# Altium PCB SHM.PcbDoc (part 1 of 3) (continued)
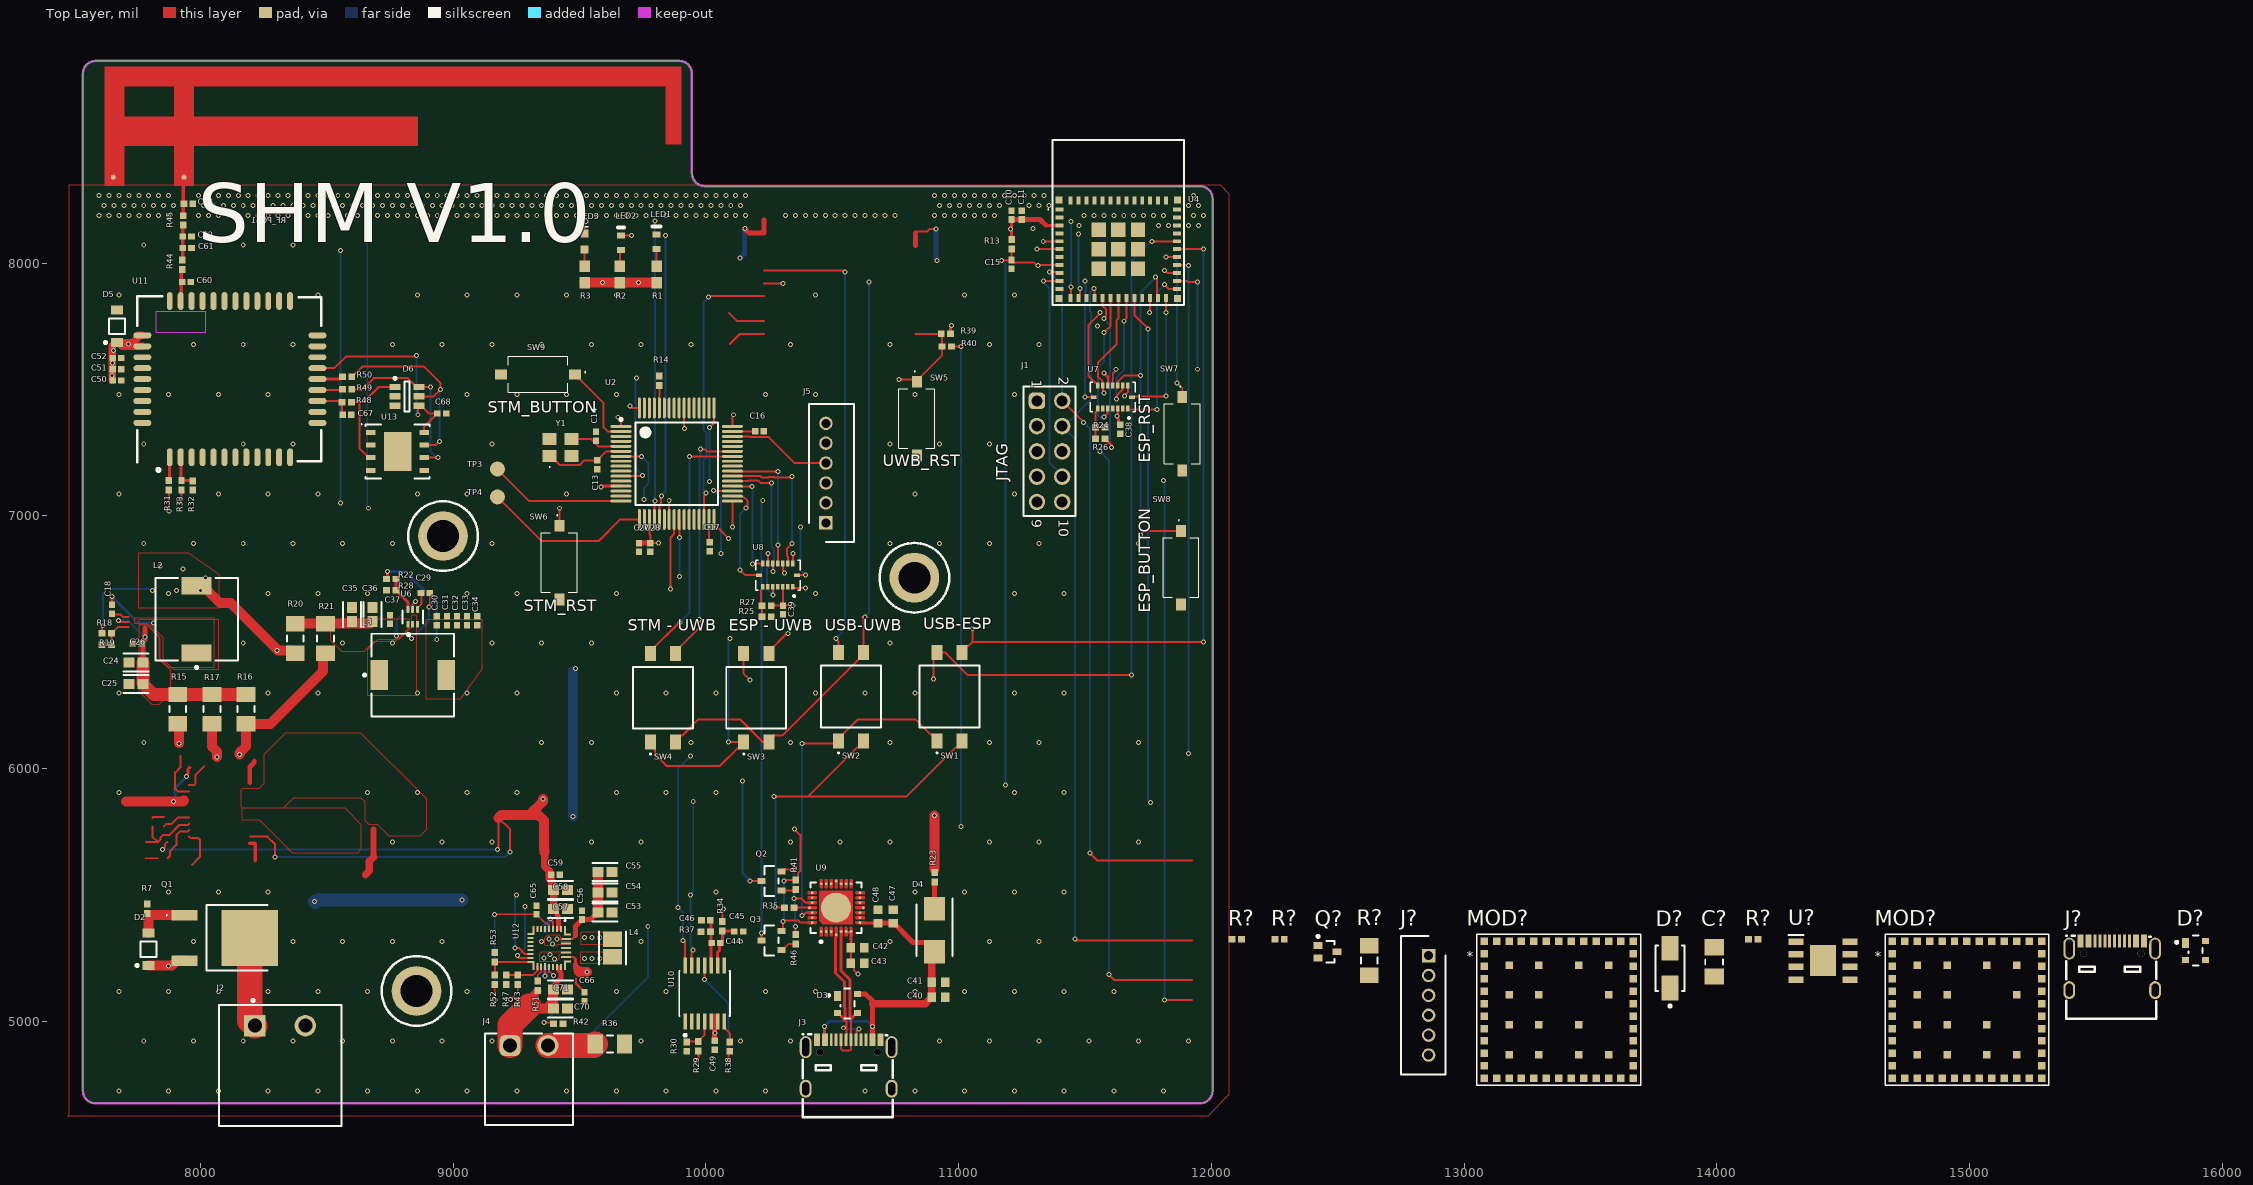
[diagram p0: Top Layer view]
## Design rules (kind name [scope] priority, off if disabled: settings) (continued)

## Classes and differential pairs
differential pair class USB: D
net class GPRS_RF: NetC60_2 NetC61_2 NetC63_2
differential pair D: +D_P -D_N

## Components (designator, comment, footprint, x,y, rotation, side; value= is the part's Value field where it differs from the comment)
C10 "100nF 0402 X7R 50V" CAPC1005X55X25NL5T10 11210,8190 r270 top
C11 "10uF 0402 X5R 10V" CAPC1005X55X25NL5T10 11250,8190 r90 top
C13 "10pF 0402 X5R 10V" CAPC1005X55X25NL5T10 9570,7202.32 r270 top
C14 "10pF 0402 X5R 10V" CAPC1005X55X25NL5T10 9565,7315 r90 top
C15 "1uF 0402 X5R 25V" CAPC1005X55X25NL5T10 11210,7995 r90 top
C16 "100nF 0402 X7R 50V" CAPC1005X55X25NL5T10 10212.32,7335 r0 top
C17 "100nF 0402 X7R 50V" CAPC1005X55X25NL5T10 10015,6877.68 r270 top
C18 "10nF 0402 X7R 50V" CAPC1005X55X25NL5T10 7650,6630 r270 top
C24 "10uF 0603 X5R 25V" FP-GRM188-0_2-IPC_B 7745,6420 r0 top
C25 "10uF 0603 X5R 25V" FP-GRM188-0_2-IPC_B 7745,6335 r0 top
C26 "100nF 0402 X7R 50V" CAPC1005X55X25NL5T10 7750,6495 r0 top
C27 "1uF 0402 X5R 25V" CAPC1005X55X25NL5T10 9735,6875 r90 top
C28 "100nF 0402 X7R 50V" CAPC1005X55X25NL5T10 9780,6875 r270 top
C29 "100nF 0402 X7R 50V" CAPC1005X55X25NL5T10 8890,6695 r180 top
C30 "10uF 0402 X5R 10V" CAPC1005X55X25NL5T10 8935,6585 r270 top
C31 "10uF 0402 X5R 10V" CAPC1005X55X25NL5T10 8975,6585 r270 top
C32 "10uF 0402 X5R 10V" CAPC1005X55X25NL5T10 9015,6585 r270 top
C33 "10uF 0402 X5R 10V" CAPC1005X55X25NL5T10 9055,6585 r270 top
C34 "100nF 0402 X7R 50V" CAPC1005X55X25NL5T10 9095,6585 r270 top
C35 "10uF 0603 X5R 25V" FP-GRM188-0_2-IPC_B 8600,6610 r270 top
C36 "10uF 0603 X5R 25V" FP-GRM188-0_2-IPC_B 8680,6610 r270 top
C37 "100nF 0402 X7R 50V" CAPC1005X55X25NL5T10 8750,6590 r270 top
C38 "100nF 0402 X7R 50V" CAPC1005X55X25NL5T10 11640,7342.32 r270 top
C39 "100nF 0402 X7R 50V" CAPC1005X55X25NL5T10 10305,6627.32 r270 top
C40 "10uF 0603 X5R 25V" CAPC1608X60X35NL10T15 10920,5095 r180 top
C41 "100nF 0603 X7R 100V" CAPC1608X60X35NL10T15 10920,5155 r180 top
C42 "100nF 0603 X7R 100V" CAPC1608X60X35NL10T15 10600,5290 r180 top
C43 "10uF 0603 X5R 25V" CAPC1608X60X35NL10T15 10600,5230 r180 top
C44 "100nF 0402 X7R 50V" CAPC1005X55X25NL5T10 10040,5310 r0 top
C45 "100nF 0402 X7R 50V" CAPC1005X55X25NL5T10 10130,5355 r180 top
C46 "100nF 0402 X7R 50V" CAPC1005X55X25NL5T10 10000,5400 r0 top
C47 "100nF 0603 X7R 100V" CAPC1608X60X35NL10T15 10741.11,5415.09 r270 top
C48 "10uF 0603 X5R 25V" CAPC1608X60X35NL10T15 10681.11,5415.09 r270 top
C49 "1uF 0402 X5R 25V" CAPC1005X55X25NL5T10 10035,4905 r90 top
C50 "10uF 0402 X5R 10V" CAPC1005X55X25NL5T10 7670,7535 r180 top
C51 "100nF 0402 X7R 50V" CAPC1005X55X25NL5T10 7670,7580 r180 top
C52 "18pF 0402 X5R 50V" CAPC1005X55X25NL5T10 7670,7625 r180 top
C53 "10uF 0603 X5R 25V" FP-GRM188-0_2-IPC_B 9600,5430 r180 top
C54 "10uF 0603 X5R 25V" FP-GRM188-0_2-IPC_B 9600,5510 r180 top
C55 "10uF 0603 X5R 25V" FP-GRM188-0_2-IPC_B 9600,5590 r180 top
C56 "100nF 0402 X7R 50V" CAPC1005X55X25NL5T10 9510,5420 r270 top
C57 "10uF 0603 X5R 25V" FP-GRM188-0_2-IPC_B 9425,5445 r180 top
C58 "10uF 0603 X5R 25V" FP-GRM188-0_2-IPC_B 9425,5520 r180 top
C59 "100nF 0402 X7R 50V" CAPC1005X55X25NL5T10 9405,5580 r180 top
C60 "100nF 0402 X7R 50V" CAPC1005X55X25NL5T10 7945,7925 r180 top
C61 "100nF 0402 X7R 50V" CAPC1005X55X25NL5T10 7947.32,8060 r180 top
C62 "100nF 0402 X7R 50V" CAPC1005X55X25NL5T10 7947.32,8105 r180 top
C63 "100nF 0402 X7R 50V" CAPC1005X55X25NL5T10 7952.32,8235 r180 top
C64 "47nF 0402 X7R 50V" CAPC1005X55X25NL5T10 9380,5360 r180 bottom
C65 "10uF 0402 X5R 10V" CAPC1005X55X25NL5T10 9330,5440 r270 top
C66 "1nF 0402 X7R 50V" CAPC1005X55X25NL5T10 9520,5097.32 r90 top
C67 "18pF 0402 X5R 50V" CAPC1005X55X25NL5T10 8580,7400 r180 top
C68 "100nF 0402 X7R 50V" CAPC1005X55X25NL5T10 8955,7405 r180 top
C69 "47nF 0402 X7R 50V" CAPC1005X55X25NL5T10 9385,5215 r0 bottom
C70 "10uF 0603 X5R 25V" FP-GRM188-0_2-IPC_B 9425,5050 r180 top
C71 "10uF 0603 X5R 25V" FP-GRM188-0_2-IPC_B 9425,5125 r180 top
C? "100uF 1206 X5R 6.3V" CAPC3216X190X55ML30T25 13990,5235 r90 top
D2 "MMSZ10T1G" ONSC-SOD-123-2-425-04_V 7795,5285 r90 top
D3 "PRTR5V0U2X,215" FP-SOT143B-MFG 10560,5070 r0 top
D4 "S3MBTR" DIOM5236X260N 10905,5360 r270 top
D5 "MMSZ5231BT1G" ONSC-SOD-123-2-425-04_V 7670,7750 r90 top
D6 "ESDA6V1-5SC6" MF06A_N 8817.24,7472.4 r0 top
D? "B340A-13-F" FP-SMA-MFG 13815,5210 r90 top
D? "PRTR5V0U2X,215" FP-SOT143B-MFG 15895,5280 r0 top
J1 "61301021121" 61301021121 11360,7255 r270 top
J2 "1757242" FP-1757242-MFG 8315,4825 r0 top
J3 "U262-16XN-4BVC11" USB-3.1-SMD_U262-161N-4BVC11 10565,4830 r0 top
J4 "691322310002" 691322310002 9300,4770 r0 top
J5 "B6B-PH-K-S__LF__SN_" SHDR6W50P0X200_1X6_1390X450X600P 10475,6972.52 r270 top
J? "B6B-PH-K-S__LF__SN_" SHDR6W50P0X200_1X6_1390X450X600P 12860,5260 r90 top
J? "U262-16XN-4BVC11" USB-3.1-SMD_U262-161N-4BVC11 15565,5220 r0 top
L2 "1217AS-H-3R3N=P3" FP-DEM8045C-MFG 7985,6590 r90 top
L3 "1217AS-H-3R3N=P3" FP-DEM8045C-MFG 8840,6370 r0 top
L4 "DFE201612E-1R0M=P2" FP-DFE201612C-IPC_A 9630,5290 r90 top
LED1 "TLMS1100-GS08" VISH-TLMX1100_V 9805,8085 r90 top
LED2 "TLMB1100-GS08" VISH-TLMX1100-2_V 9665,8080 r90 top
LED3 "150060VS75000" WL-SMCW_0603_150060xx75000 9520,8085 r270 top
MOD? "Laird, 453-NX040" PCBComponent_1 13080,5265 r0 top
MOD? "Laird, 453-NX040" PCBComponent_1 14695,5265 r0 top
Q1 "DMP10H400SK3-13" DMP10H400SK313 8096.57,5330 r270 top
Q2 "SS8050-G" FP-SS8050-G-MFG 10260,5555 r180 top
Q3 "SS8050-G" FP-SS8050-G-MFG 10260,5320 r180 top
Q? "BSS138W-7-F" DIOD-SOT323-3_V 12460,5275 r0 top
R1 "1K 0603 0.1W 1%" RESC1609X55X30ML10T20 9805,7955 r270 top
R2 "1K 0603 0.1W 1%" RESC1609X55X30ML10T20 9660,7955 r270 top
R3 "1K 0603 0.1W 1%" RESC1609X55X30ML10T20 9520,7955 r270 top
R7 "51k 0402 0.1%" RESC1005X40X25ML05T10 7790,5445 r270 top
R13 "10k 0402 0.1%" RESC1005X40X25ML05T10 11210,8075 r90 top
R14 "10k 0402 0.1%" RESC1005X40X25ML05T10 9815,7535 r270 top
R15 "0R 1206 0.5W 1%" CAPC3216X180X55ML20T25 7910,6235 r90 top
R16 "0R 1206 0.5W 1%" CAPC3216X180X55ML20T25 8180,6235 r270 top
R17 "0R 1206 0.5W 1%" CAPC3216X180X55ML20T25 8045,6235 r90 top
R18 "51k 0402 0.1%" RESC1005X40X25ML05T10 7630,6535 r180 top
R19 "10k 0402 0.1%" RESC1005X40X25ML05T10 7630,6490 r0 top
R20 "0R 1206 0.5W 1%" CAPC3216X180X55ML20T25 8375,6515 r90 top
R21 "0R 1206 0.5W 1%" CAPC3216X180X55ML20T25 8495,6515 r270 top
R22 "51k 0402 0.1%" RESC1005X40X25ML05T10 8755,6750 r180 top
R23 "0R 0402 1%" RESC1005X40X25ML05T10 10905,5570 r90 top
R24 "0R 0402 1%" RESC1005X40X25ML05T10 11560,7350 r180 top
R25 "0R 0402 1%" RESC1005X40X25ML05T10 10240,6600 r180 top
R26 "0R 0402 1%" RESC1005X40X25ML05T10 11560,7305 r180 top
R27 "0R 0402 1%" RESC1005X40X25ML05T10 10240,6645 r180 top
R28 "10k 0402 0.1%" RESC1005X40X25ML05T10 8755,6705 r0 top
R29 "100k 0402 0.1%" RESC1005X40X25ML05T10 9970,4901.3 r270 top
R30 "10k 0402 0.1%" RESC1005X40X25ML05T10 9925,4900 r90 top
R31 "1k 0402 1%" RESC1005X40X25ML05T10 7875,7121.3 r270 top
R32 "10k 0402 0.1%" RESC1005X40X25ML05T10 7970,7120 r90 top
R33 "1k 0402 1%" RESC1005X40X25ML05T10 7925,7121.3 r270 top
R34 "100R 0402 0.1%" RESC1005X40X25ML05T10 10065,5376.3 r270 top
R35 "1k 0402 1%" RESC1005X40X25ML05T10 10330,5450 r0 top
R36 "0.005R 1206 0.5W 0.5% 100ppm" CAPC3216X180X55ML20T25 9620,4910 r0 top
R37 "100R 0402 0.1%" RESC1005X40X25ML05T10 10000,5355 r0 top
R38 "10k 0402 0.1%" RESC1005X40X25ML05T10 10095,4900 r90 top
R39 "10k 0402 0.1%" RESC1005X40X25ML05T10 10950,7720 r0 top
R40 "0R 0402 1%" RESC1005X40X25ML05T10 10953.7,7670 r180 top
R41 "10k 0402 0.1%" RESC1005X40X25ML05T10 10355,5540 r90 top
R42 "17k4 0402 0.1%" RESC1005X40X25ML05T10 9415,4990 r180 top
R43 "127k 0402 0.1%" RESC1005X40X25ML05T10 9255,5165 r270 top
R44 "0R 0402 1%" RESC1005X40X25ML05T10 7927.32,7993.7 r270 top
R45 "0R 0402 1%" RESC1005X40X25ML05T10 7932.32,8168.7 r270 top
R46 "10k 0402 0.1%" RESC1005X40X25ML05T10 10355,5325 r90 top
R47 "100k 0402 0.1%" RESC1005X40X25ML05T10 9210,5165 r90 top
R48 "100R 0402 0.1%" RESC1005X40X25ML05T10 8578.7,7450 r180 top
R49 "100R 0402 0.1%" RESC1005X40X25ML05T10 8580,7500 r180 top
R50 "100R 0402 0.1%" RESC1005X40X25ML05T10 8580,7550 r180 top
R51 "100R 0402 0.1%" RESC1005X40X25ML05T10 9335,5140 r90 top
R52 "10k 0402 0.1%" RESC1005X40X25ML05T10 9165,5165 r90 top
R53 "17k4 0402 0.1%" RESC1005X40X25ML05T10 9165,5253.7 r90 top
R? "51k 0402 0.1%" RESC1005X40X25ML05T10 14145,5325 r0 top
R? "1k 0402 1%" RESC1005X40X25ML05T10 12270,5325 r0 top
R? "0R 1206 0.5W 1%" CAPC3216X180X55ML20T25 12625,5240 r90 top
R? "10k 0402 0.1%" RESC1005X40X25ML05T10 12100,5325 r0 top
RF_PCB1 "Planar Inverted-F Antenna" PCB-k9titb4465gfk1ijwrnj-1 7620,8305 r180 top
SW1 "DSIC02LS-P" DSIC02LSP 10964.1,6284.75 r0 top
SW2 "DSIC02LS-P" DSIC02LSP 10574.1,6284.75 r0 top
SW3 "DSIC02LS-P" DSIC02LSP 10199.1,6279.75 r0 top
SW4 "DSIC02LS-P" DSIC02LSP 9830,6280.2 r0 top
SW5 "TS-1101-C-W" TS1101CW 10835,7385 r270 top
SW6 "TS-1101-C-W" TS1101CW 9420,6815 r270 top
SW7 "TS-1101-C-W" TS1101CW 11885,7325 r270 top
SW8 "TS-1101-C-W" TS1101CW 11880,6795 r270 top
SW9 "TS-1101-C-W" TS1101CW 9335.67,7560 r180 top
TP3 "Ø1.5mm,SMD" TP_SMD_Ø1.5mm 9175,7185 r90 top
TP4 "Ø1.5mm,SMD" TP_SMD_Ø1.5mm 9175,7075 r90 top
U2 "STM32F405RGT6" STM-LQFP64_M 9884.53,7206.1 r0 top
U4 "ESP32-C6-MINI-1-N4" ESP32C6MINI1N4 11632.24,8055 r0 top
U6 "TPS563231DRLR" FP-DRL0006A-MFG 8840,6600 r90 top
U7 "BMI088" PQFN50P450X300X100-16N 11610.39,7470 r180 top
U8 "BMI088" PQFN50P450X300X100-16N 10285,6765 r180 top
U9 "CP2102N-A02-GQFN28R" FP-CP2102N-A02-GQFN28R-MFG 10515.32,5449.49 r90 top
U10 "BQ34110PWR" FP-PW0014A-MFG 9995,5110 r90 top
U11 "Simcom SIM800C" SIM800C 7878.46,7231.89 r90 top
U12 "BQ25672RQMR" BQ25672RQMR 9380,5290 r270 top
U13 "eSIM MFF2" SON127P600X95_HS-9N 8780,7255 r0 top
U? "TPS5430DDAR" SOIC127P600X170-9N 14420,5240 r0 top
Y1 "TAXM8M4RDBCCT2T" TAXM8M4RDBCCT2T 9425,7270 r0 top

## Footprints (in the part's own frame and the unit in brackets; to place one, negate y for a bottom-side part, rotate by r counter-clockwise, add the part's x,y. Pads: shape width x height; smd on the part's side, far side on the other; paste and mask are expansions set on the pad)
61301021121 [mm] "Pin Header, pitch 2.54 mm, THT, Vertical, dual row, 10p"
  rrect50% 1.65x1.65 hole 1.1: 1(-5.08,-1.27)
  round 1.65 hole 1.1: 2(-5.08,1.27) 3(-2.54,-1.27) 4(-2.54,1.27) 5(0,-1.27) 6(0,1.27) 7(2.54,-1.27) 8(2.54,1.27) 9(5.08,-1.27) 10(5.08,1.27)
  silkscreen extent -6.5,-2.62 6.5,2.62, body extent -6.35,-2.54 6.35,2.54, height 8.59
691322310002 [mm] "Horizontal PCB Header, pitch 3.81mm, 02p"
  rrect50% 2.1x2.1 hole 1.4: 1(-1.905,3.4)
  round 2.1 hole 1.4: 2(1.905,3.4)
  silkscreen extent -4.4,-4.6 4.41,4.6, body extent -4.4,-4.6 4.41,4.6, height 7.25
BQ25672RQMR [mm]
  rect 0.95x0.2 smd: 1(-1.725,1.6) 24(1.725,1.6)
  rect 0.6x0.2 smd: 2(-1.9,1.2) 3(-1.9,0.8) 4(-1.9,0.4) 5(-1.9,0) 6(-1.9,-0.4) 7(-1.9,-0.8) 8(-1.9,-1.2) 20(1.9,0) 21(1.9,0.4) 22(1.9,0.8) 23(1.9,1.2)
  rect 0.9x0.2 smd: 9(-1.75,-1.6) 16(1.75,-1.6)
  rect 0.2x0.6 smd: 10(-1,-1.9) 11(-0.6,-1.9) 12(-0.2,-1.9) 13(0.2,-1.9) 14(0.6,-1.9) 15(1,-1.9)
  rect 0.7x0.2 smd: 17(1.85,-1.2)
  rect 0.65x0.2 smd: 18(1.875,-0.8)
  rect 0.68x0.2 smd: 19(1.86,-0.4)
  rect 0.2x1 smd: 25(0.9,1.7) 26(0.45,1.7) 27(0,1.7) 28(-0.45,1.7)
  rect 0.2x0.95 smd: 29(-0.9,1.725)
  rect 0.2x0.5 smd: 30(-1.35,1.95) 31(-1.4,-1.95) 32(1.4,-1.95) 33(1.35,1.95)
  silkscreen extent -2.8,1.55 -2.7,1.65, body extent -2,-2 2,2, height 1
CAPC1005X55X25NL5T10 [mm] "Chip Capacitor, 2-Leads, Body 1.05x0.55mm, IPC Medium Density"
  rect 0.66x0.62 smd: 1(-0.44,0) 2(0.44,0)
  body extent -0.53,-0.28 0.53,0.28, height 0.55
CAPC1608X60X35NL10T15 [mm]
  rect 0.85x0.95 smd: 1(-0.675,0) 2(0.675,0)
  body extent -0.85,-0.45 0.85,0.45, height 0.6
CAPC3216X180X55ML20T25 [mm]
  rect 1.55x1.9 smd: 1(-1.475,0) 2(1.475,0)
  silkscreen extent -0.3,-0.85 0.3,0.85, body extent -1.7,-0.9 1.7,0.9, height 1.8
CAPC3216X190X55ML30T25 [mm] "Chip Capacitor, 2-Leads, Body 3.5x1.9mm, IPC Low Density"
  rect 1.65x2 smd: 1(-1.475,0) 2(1.475,0)
  silkscreen extent -0.25,-0.9 0.25,0.9, body extent -1.75,-0.95 1.75,0.95, height 1.9
DIOD-SOT323-3_V [mm] "SOT323, 3-Leads, Body 2.2x1.35mm, Pitch 0.65mm"
  rect 0.9x0.7 smd: 1(-0.95,0.65) 2(-0.95,-0.65) 3(0.95,0)
  silkscreen extent -1.07,-1.1 0.67,1.67, body extent -1.1,-1.1 1.1,1.1, height 1.07
DIOM5236X260N [mm]
  rect 2.35x2.1 smd: 1(-2.15,0) 2(2.15,0)
  silkscreen extent -3.2,-1.81 2.6,1.81, body extent -2.6,-1.81 2.6,1.81, height 2.6
DMP10H400SK313 [mm]
  rect 1.06x2.6 smd: 1(-2.286,-4.05) 3(2.286,-4.05)
  rect 5.632x5.7 smd: 2(0,2.5)
  silkscreen extent -3.29,-5.9 3.29,4.27, body extent -3.29,-4.95 3.29,4.95, height 2.39
DSIC02LSP [mm]
  rect 1.1x1.5 smd: 1(-1.27,-4.45) 2(1.27,-4.45) 3(1.27,4.45) 4(-1.27,4.45)
  silkscreen extent -3.01,-5.7 3.01,3.1, body extent -2.54,-4.88 2.54,4.88, height 2.7
ESP32C6MINI1N4 [mm]
  rect 0.8x0.4 smd: 1(-5.9,4) 2(-5.9,3.2) 3(-5.9,2.4) 4(-5.9,1.6) 5(-5.9,0.8) 6(-5.9,0) 7(-5.9,-0.8) 8(-5.9,-1.6) 9(-5.9,-2.4) 10(-5.9,-3.2) 11(-5.9,-4) 25(5.9,-4) 26(5.9,-3.2) 27(5.9,-2.4) 28(5.9,-1.6) 29(5.9,-0.8) 30(5.9,0) 31(5.9,0.8) 32(5.9,1.6) 33(5.9,2.4) 34(5.9,3.2) 35(5.9,4)
  rect 0.4x0.8 smd: 12(-4.8,-4.9) 13(-4,-4.9) 14(-3.2,-4.9) 15(-2.4,-4.9) 16(-1.6,-4.9) 17(-0.8,-4.9) 18(0,-4.9) 19(0.8,-4.9) 20(1.6,-4.9) 21(2.4,-4.9) 22(3.2,-4.9) 23(4,-4.9) 24(4.8,-4.9) 36(4.8,4.9) 37(4,4.9) 38(3.2,4.9) 39(2.4,4.9) 40(1.6,4.9) 41(0.8,4.9) 42(0,4.9) 43(-0.8,4.9) 44(-1.6,4.9) 45(-2.4,4.9) 46(-3.2,4.9) 47(-4,4.9) 48(-4.8,4.9)
  rect 1.45x1.45 smd: 49(0,0) 54(-1.975,1.975) 55(-1.975,0) 56(-1.975,-1.975) 57(0,-1.975) 58(1.975,-1.975) 59(1.975,0) 60(1.975,1.975) 61(0,1.975)
  rect 0.7x0.7 smd: 50(5.95,4.95) 51(5.95,-4.95) 52(-5.95,-4.95) 53(-5.95,4.95)
  silkscreen extent -7.1,-5.6 6.6,11, body extent -9,-12.75 9,12.75, height 3.2
FP-1757242-MFG [mm]
  rect 2.15x2.15 hole 1.4 paste-1000 mask+0: 1(-2.54,4)
  round 2.15 hole 1.4 paste-1000 mask+0: 2(2.54,4)
  silkscreen extent -6.15,-6.07 6.15,6.65, body extent -6.25,-6.17 6.25,6.17, height 0.25
FP-CP2102N-A02-GQFN28R-MFG [mm]
  round 0.27 smd paste+0 mask+0: 1(-2.4,1.5) 2(-2.4,1) 3(-2.4,0.5) 4(-2.725,0) 5(-2.4,-0.5) 6(-2.4,-1) 7(-2.4,-1.5) 8(-1.5,-2.4) 9(-1,-2.4) 10(-0.5,-2.4) 11(0,-2.725) 12(0.5,-2.4) 13(1,-2.4) 14(1.5,-2.4) 15(2.4,-1.5) 16(2.4,-1) 17(2.4,-0.5) 18(2.675,0) 19(2.4,0.5) 20(2.4,1) 21(2.4,1.5) 22(1.5,2.4) 23(1,2.4) 24(0.5,2.4) 25(0,2.675) 26(-0.5,2.4) 27(-1,2.4) 28(-1.5,2.4)
  round 3.015 smd paste-1000 mask+0: 29(0,0)
  Top Layer region: -2.875,1.65 -2.075,1.65 -2.018,1.639 -1.969,1.606 -1.936,1.557 -1.925,1.5 -1.925,1.5 -1.936,1.443 -1.969,1.394 -2.018,1.361 -2.075,1.35 -2.075,1.35 -2.875,1.35
  Top Layer region: -2.875,1.15 -2.075,1.15 -2.018,1.139 -1.969,1.106 -1.936,1.057 -1.925,1 -1.925,1 -1.936,0.943 -1.969,0.894 -2.018,0.861 -2.075,0.85 -2.075,0.85 -2.875,0.85
  Top Layer region: -2.875,0.65 -2.075,0.65 -2.018,0.639 -1.969,0.606 -1.936,0.557 -1.925,0.5 -1.925,0.5 -1.936,0.443 -1.969,0.394 -2.018,0.361 -2.075,0.35 -2.075,0.35 -2.875,0.35
  Top Layer region: -2.875,0.15 -2.075,0.15 -2.018,0.139 -1.969,0.106 -1.936,0.057 -1.925,0 -1.925,0 -1.936,-0.057 -1.969,-0.106 -2.018,-0.139 -2.075,-0.15 -2.075,-0.15 -2.875,-0.15
  Top Layer region: -2.875,-0.35 -2.075,-0.35 -2.018,-0.361 -1.969,-0.394 -1.936,-0.443 -1.925,-0.5 -1.925,-0.5 -1.936,-0.557 -1.969,-0.606 -2.018,-0.639 -2.075,-0.65 -2.075,-0.65 -2.875,-0.65
  Top Layer region: -2.875,-0.85 -2.075,-0.85 -2.018,-0.861 -1.969,-0.894 -1.936,-0.943 -1.925,-1 -1.925,-1 -1.936,-1.057 -1.969,-1.106 -2.018,-1.139 -2.075,-1.15 -2.075,-1.15 -2.875,-1.15
  Top Layer region: -2.875,-1.35 -2.075,-1.35 -2.018,-1.361 -1.969,-1.394 -1.936,-1.443 -1.925,-1.5 -1.925,-1.5 -1.936,-1.557 -1.969,-1.606 -2.018,-1.639 -2.075,-1.65 -2.075,-1.65 -2.875,-1.65
  Top Layer region: -1.65,-2.875 -1.65,-2.075 -1.639,-2.018 -1.606,-1.969 -1.557,-1.936 -1.5,-1.925 -1.5,-1.925 -1.443,-1.936 -1.394,-1.969 -1.361,-2.018 -1.35,-2.075 -1.35,-2.075 -1.35,-2.875
  Top Layer region: -1.15,-2.875 -1.15,-2.075 -1.139,-2.018 -1.106,-1.969 -1.057,-1.936 -1,-1.925 -1,-1.925 -0.943,-1.936 -0.894,-1.969 -0.861,-2.018 -0.85,-2.075 -0.85,-2.075 -0.85,-2.875
  Top Layer region: -0.65,-2.875 -0.65,-2.075 -0.639,-2.018 -0.606,-1.969 -0.557,-1.936 -0.5,-1.925 -0.5,-1.925 -0.443,-1.936 -0.394,-1.969 -0.361,-2.018 -0.35,-2.075 -0.35,-2.075 -0.35,-2.875
  Top Layer region: -0.15,-2.875 -0.15,-2.075 -0.139,-2.018 -0.106,-1.969 -0.057,-1.936 0,-1.925 0,-1.925 0.057,-1.936 0.106,-1.969 0.139,-2.018 0.15,-2.075 0.15,-2.075 0.15,-2.875
  Top Layer region: 0.35,-2.875 0.35,-2.075 0.361,-2.018 0.394,-1.969 0.443,-1.936 0.5,-1.925 0.5,-1.925 0.557,-1.936 0.606,-1.969 0.639,-2.018 0.65,-2.075 0.65,-2.075 0.65,-2.875
  Top Layer region: 0.85,-2.875 0.85,-2.075 0.861,-2.018 0.894,-1.969 0.943,-1.936 1,-1.925 1,-1.925 1.057,-1.936 1.106,-1.969 1.139,-2.018 1.15,-2.075 1.15,-2.075 1.15,-2.875
  Top Layer region: 1.35,-2.875 1.35,-2.075 1.361,-2.018 1.394,-1.969 1.443,-1.936 1.5,-1.925 1.5,-1.925 1.557,-1.936 1.606,-1.969 1.639,-2.018 1.65,-2.075 1.65,-2.075 1.65,-2.875
  Top Layer region: 2.875,-1.65 2.075,-1.65 2.018,-1.639 1.969,-1.606 1.936,-1.557 1.925,-1.5 1.925,-1.5 1.936,-1.443 1.969,-1.394 2.018,-1.361 2.075,-1.35 2.075,-1.35 2.875,-1.35
  Top Layer region: 2.875,-1.15 2.075,-1.15 2.018,-1.139 1.969,-1.106 1.936,-1.057 1.925,-1 1.925,-1 1.936,-0.943 1.969,-0.894 2.018,-0.861 2.075,-0.85 2.075,-0.85 2.875,-0.85
  Top Layer region: 2.875,-0.65 2.075,-0.65 2.018,-0.639 1.969,-0.606 1.936,-0.557 1.925,-0.5 1.925,-0.5 1.936,-0.443 1.969,-0.394 2.018,-0.361 2.075,-0.35 2.075,-0.35 2.875,-0.35
  Top Layer region: 2.875,-0.15 2.075,-0.15 2.018,-0.139 1.969,-0.106 1.936,-0.057 1.925,0 1.925,0 1.936,0.057 1.969,0.106 2.018,0.139 2.075,0.15 2.075,0.15 2.875,0.15
  Top Layer region: 2.875,0.35 2.075,0.35 2.018,0.361 1.969,0.394 1.936,0.443 1.925,0.5 1.925,0.5 1.936,0.557 1.969,0.606 2.018,0.639 2.075,0.65 2.075,0.65 2.875,0.65
  Top Layer region: 2.875,0.85 2.075,0.85 2.018,0.861 1.969,0.894 1.936,0.943 1.925,1 1.925,1 1.936,1.057 1.969,1.106 2.018,1.139 2.075,1.15 2.075,1.15 2.875,1.15
  Top Layer region: 2.875,1.35 2.075,1.35 2.018,1.361 1.969,1.394 1.936,1.443 1.925,1.5 1.925,1.5 1.936,1.557 1.969,1.606 2.018,1.639 2.075,1.65 2.075,1.65 2.875,1.65
  Top Layer region: 1.65,2.875 1.65,2.075 1.639,2.018 1.606,1.969 1.557,1.936 1.5,1.925 1.5,1.925 1.443,1.936 1.394,1.969 1.361,2.018 1.35,2.075 1.35,2.075 1.35,2.875
  Top Layer region: 1.15,2.875 1.15,2.075 1.139,2.018 1.106,1.969 1.057,1.936 1,1.925 1,1.925 0.943,1.936 0.894,1.969 0.861,2.018 0.85,2.075 0.85,2.075 0.85,2.875
  Top Layer region: 0.65,2.875 0.65,2.075 0.639,2.018 0.606,1.969 0.557,1.936 0.5,1.925 0.5,1.925 0.443,1.936 0.394,1.969 0.361,2.018 0.35,2.075 0.35,2.075 0.35,2.875
  Top Layer region: 0.15,2.875 0.15,2.075 0.139,2.018 0.106,1.969 0.057,1.936 0,1.925 0,1.925 -0.057,1.936 -0.106,1.969 -0.139,2.018 -0.15,2.075 -0.15,2.075 -0.15,2.875
  Top Layer region: -0.35,2.875 -0.35,2.075 -0.361,2.018 -0.394,1.969 -0.443,1.936 -0.5,1.925 -0.5,1.925 -0.557,1.936 -0.606,1.969 -0.639,2.018 -0.65,2.075 -0.65,2.075 -0.65,2.875
  Top Layer region: -0.85,2.875 -0.85,2.075 -0.861,2.018 -0.894,1.969 -0.943,1.936 -1,1.925 -1,1.925 -1.057,1.936 -1.106,1.969 -1.139,2.018 -1.15,2.075 -1.15,2.075 -1.15,2.875
  Top Layer region: -1.35,2.875 -1.35,2.075 -1.361,2.018 -1.394,1.969 -1.443,1.936 -1.5,1.925 -1.5,1.925 -1.557,1.936 -1.606,1.969 -1.639,2.018 -1.65,2.075 -1.65,2.075 -1.65,2.875
  Top Layer region: -1.325,1.675 1.675,1.675 1.675,-1.675 -1.675,-1.675 -1.675,1.325 -1.325,1.675
  silkscreen extent -3.55,-2.55 2.55,2.55, body extent -2.98,-2.98 2.98,2.98, height 0.25
FP-DEM8045C-MFG [mm]
  rect 1.75x3 smd paste+0 mask+0: 1(-3.375,0) 2(3.375,0)
  silkscreen extent -4.95,-4.15 4.15,4.15, body extent -4.35,-4.25 4.35,4.25, height 0.25
FP-DFE201612C-IPC_A [mil]
  rect 61.2x75.05 smd paste+0 mask+0: 1(-34.48,0) 2(34.48,0)
  silkscreen extent -65,-53 65,53, body extent -85,-57 85,57, height 10
FP-DRL0006A-MFG [mm]
  rrect33% 0.67x0.3 smd paste+0 mask+0: 1(-0.74,0.5) 2(-0.74,0) 3(-0.74,-0.5) 4(0.74,-0.5) 5(0.74,0) 6(0.74,0.5)
  silkscreen extent -1.9,-1.05 0.65,1.05, body extent -1.17,-1.1 1.17,1.1, height 0.25
FP-GRM188-0_2-IPC_B [mil]
  rect 43.51x39.61 smd paste+0 mask+0: 1(-27.58,0) 2(27.58,0)
  silkscreen extent -49,-36 49,36, body extent -59,-30 59,30, height 10
FP-PW0014A-MFG [mm]
  rect 1.6x0.35 smd paste-1000 mask+0: 1(-2.8,1.95) 2(-2.8,1.3) 3(-2.8,0.65) 4(-2.8,0) 5(-2.8,-0.65) 6(-2.8,-1.3) 7(-2.8,-1.95) 8(2.8,-1.95) 9(2.8,-1.3) 10(2.8,-0.65) 11(2.8,0) 12(2.8,0.65) 13(2.8,1.3) 14(2.8,1.95)
  silkscreen extent -4.32,-2.55 2.25,2.55, body extent -3.7,-2.8 3.7,2.8, height 0.25
FP-SMA-MFG [mm]
  rect 2.5x1.7 smd paste+0 mask+0: 1(-2,0) 2(2,0)
  silkscreen extent -3.92,-1.46 2.3,1.46, body extent -3.35,-1.56 3.35,1.56, height 0.25
FP-SOT143B-MFG [mm]
  rect 0.7x1 smd paste-1000 mask+0: 1(-1,0.75)
  rect 0.7x0.6 smd paste-1000 mask+0: 2(-1,-0.95) 3(1,-0.95) 4(1,0.95)
  silkscreen extent -2.02,-1.5 0.7,1.5, body extent -1.5,-1.63 1.5,1.63, height 0.25
FP-SS8050-G-MFG [mm]
  rect 0.8x0.6 smd paste+0 mask+0: 1(-1.01,0.95) 2(-1.01,-0.95) 3(1.01,0)
  silkscreen extent -0.7,-1.5 0.7,1.5, body extent -1.51,-1.6 1.51,1.6, height 0.25
MF06A_N [mm]
  rect 1.1x0.65 smd: 1(-1.2,0.95) 2(-1.2,0) 3(-1.2,-0.95) 4(1.2,-0.95) 5(1.2,0) 6(1.2,0.95)
  silkscreen extent -1.32,-1.5 0.25,1.95, body extent -0.83,-1.49 0.83,1.5, height 1.22
ONSC-SOD-123-2-425-04_V [mm] "SOD, 2-Leads, Body 2.69x1.6mm"
  rect 0.91x1.22 smd: 1(-1.635,0) 2(1.635,0)
  silkscreen extent -1.76,-0.8 0.78,1.28, body extent -1.35,-0.8 1.35,0.8, height 1.35
PCB-k9titb4465gfk1ijwrnj-1 [mil]
  round 20 smd mask+4: 1(-315,-35) 2(-35,-35)
  Top Layer region: 0,0 -78.74,0 -78.74,-472.44 0,-472.44
  Top Layer region: 0,-393.7 -2283.46,-393.7 -2283.46,-472.44 0,-472.44
  Top Layer region: -275.59,0 -354.33,0 -354.33,-472.44 -275.59,-472.44
  Top Layer region: -35.65,-157.48 -1240.18,-157.48 -1240.18,-275.59 -35.65,-275.59
  Top Layer region: -2220.87,-164.33 -2283.46,-164.33 -2283.46,-471.42 -2220.87,-471.42
PCBComponent_1 [mm]
  rect 0.75x0.75 smd: 1(-0.007,0.037) 2(-0.007,-1.213) 3(-0.007,-2.463) 4(-0.007,-3.713) 5(-0.007,-4.963) 6(-0.007,-6.213) 7(-0.007,-7.463) 8(-0.007,-8.713) 9(-0.007,-9.963) 10(-0.007,-11.213) 11(-0.007,-12.463) 12(1.243,-12.463) 13(2.493,-12.463) 14(3.743,-12.463) 15(4.993,-12.463) 16(6.243,-12.463) 17(7.493,-12.463) 18(8.743,-12.463) 19(9.993,-12.463) 20(11.243,-12.463) 21(12.493,-12.463) 22(13.743,-12.463) 23(14.993,-12.463) 24(14.993,-11.213) 25(14.993,-9.963) 26(14.993,-8.713) 27(14.993,-7.463) 28(14.993,-6.213) 29(14.993,-4.963) 30(14.993,-3.713) 31(14.993,-2.463) 32(14.993,-1.213) 33(14.993,0.037) 34(14.993,1.287) 35(13.743,1.287) 36(12.493,1.287) 37(11.243,1.287) 38(9.993,1.287) 39(8.743,1.287) 40(7.493,1.287) 41(6.243,1.287) 42(4.993,1.287) 43(3.743,1.287) 44(2.493,1.287) 45(1.243,1.287) 46(-0.007,1.287) 47(2.493,-10.088) 48(5.493,-10.088) 49(9.493,-10.088) 50(12.493,-10.088) 51(2.493,-7.088) 52(5.493,-7.088) 53(9.493,-7.088) 54(2.493,-4.088) 55(5.493,-4.088) 56(12.493,-4.088) 57(2.493,-1.088) 58(5.493,-1.088) 59(9.493,-1.088) 60(12.493,-1.088)
  silkscreen extent -0.73,-13.19 15.72,2.01, body extent -0.63,-13.09 15.62,1.91, height 2.2
PQFN50P450X300X100-16N [mm]
  rect 0.35x0.59 smd: 1(-1.5,1.165) 2(-1,1.165) 3(-0.5,1.165) 4(0,1.165) 5(0.5,1.165) 6(1,1.165) 7(1.5,1.165) 9(1.5,-1.165) 10(1,-1.165) 11(0.5,-1.165) 12(0,-1.165) 13(-0.5,-1.165) 14(-1,-1.165) 15(-1.5,-1.165)
  rect 0.59x0.35 smd: 8(1.915,0) 16(-1.915,0)
  silkscreen extent -2.25,-1.5 2.25,2.2
RESC1005X40X25ML05T10 [mm] "Chip Resistor, 2-Leads, Body 1.00x0.50mm, IPC Low Density"
  rect 0.7x0.65 smd: 1(-0.475,0) 2(0.475,0)
  body extent -0.53,-0.27 0.53,0.28, height 0.4
RESC1609X55X30ML10T20 [mm]
  rect 1.15x1.05 smd: 1(-0.825,0) 2(0.825,0)
  body extent -0.85,-0.48 0.85,0.48, height 0.55
SHDR6W50P0X200_1X6_1390X450X600P [mm]
  rect 1.35x1.35 hole 0.9: 1(0,0)
  round 1.35 hole 0.9: 2(-2,0) 3(-4,0) 4(-6,0) 5(-8,0) 6(-10,0)
  silkscreen extent -11.95,-1.7 1.95,2.8, body extent -11.95,-2.25 1.95,2.25, height 6
SIM800C [mm]
  oval 1.8x0.6 smd: 1(0,0) 2(0,-1.1) 3(0,-2.2) 4(0,-3.3) 5(0,-4.4) 6(0,-5.5) 7(0,-6.6) 8(0,-7.7) 9(0,-8.8) 10(0,-9.9) 11(0,-11) 12(0,-12.1) 22(15.7,-12.1) 23(15.7,-11) 24(15.7,-9.9) 25(15.7,-8.8) 26(15.7,-7.7) 27(15.7,-6.6) 28(15.7,-5.5) 29(15.7,-4.4) 30(15.7,-3.3) 31(15.7,-2.2) 32(15.7,-1.1) 33(15.7,0)
  oval 0.6x1.8 smd: 13(3.45,-14.85) 14(4.55,-14.85) 15(5.65,-14.85) 16(6.75,-14.85) 17(7.85,-14.85) 18(8.95,-14.85) 19(10.05,-14.85) 20(11.15,-14.85) 21(12.25,-14.85) 34(12.25,2.75) 35(11.15,2.75) 36(10.05,2.75) 37(8.95,2.75) 38(7.85,2.75) 39(6.75,2.75) 40(5.65,2.75) 41(4.55,2.75) 42(3.45,2.75)
  Keep-Out Layer pour cut-out: 12.5,1.38 14.65,1.38 14.65,-3.57 12.5,-3.57
  silkscreen extent -1.45,-15.25 16.2,3.25, body extent 0,-14.85 15.7,2.75, height 2.3
SOIC127P600X170-9N [mm]
  rect 1.525x0.65 smd: 1(-2.712,1.905) 2(-2.712,0.635) 3(-2.712,-0.635) 4(-2.712,-1.905) 5(2.712,-1.905) 6(2.712,-0.635) 7(2.712,0.635) 8(2.712,1.905)
  rect 2.6x3.1 smd: 9(0,0)
  silkscreen extent -3.47,2.58 -1.95,2.58, body extent -3.01,-2.45 3.01,2.45, height 1.57
SON127P600X95_HS-9N [mm]
  rect 0.96x0.5 smd: 1(-2.675,1.905) 2(-2.675,0.635) 3(-2.675,-0.635) 4(-2.675,-1.905) 5(2.675,-1.905) 6(2.675,-0.635) 7(2.675,0.635) 8(2.675,1.905)
  rect 2.77x3.9 smd paste-1.385: 9(0,0)
  silkscreen extent -3.67,-2.73 3.22,2.77, body extent -3.08,-2.58 3.08,2.58, height 0.95
STM-LQFP64_M [mm] "Thin QFP, 64-Leads, Body 10x10mm, Pitch 0.5mm, IPC Low Density"
  oval 2.1x0.3 smd: 1(-5.6,3.75) 2(-5.6,3.25) 3(-5.6,2.75) 4(-5.6,2.25) 5(-5.6,1.75) 6(-5.6,1.25) 7(-5.6,0.75) 8(-5.6,0.25) 9(-5.6,-0.25) 10(-5.6,-0.75) 11(-5.6,-1.25) 12(-5.6,-1.75) 13(-5.6,-2.25) 14(-5.6,-2.75) 15(-5.6,-3.25) 16(-5.6,-3.75) 33(5.6,-3.75) 34(5.6,-3.25) 35(5.6,-2.75) 36(5.6,-2.25) 37(5.6,-1.75) 38(5.6,-1.25) 39(5.6,-0.75) 40(5.6,-0.25) 41(5.6,0.25) 42(5.6,0.75) 43(5.6,1.25) 44(5.6,1.75) 45(5.6,2.25) 46(5.6,2.75) 47(5.6,3.25) 48(5.6,3.75)
  oval 0.3x2.1 smd: 17(-3.75,-5.6) 18(-3.25,-5.6) 19(-2.75,-5.6) 20(-2.25,-5.6) 21(-1.75,-5.6) 22(-1.25,-5.6) 23(-0.75,-5.6) 24(-0.25,-5.6) 25(0.25,-5.6) 26(0.75,-5.6) 27(1.25,-5.6) 28(1.75,-5.6) 29(2.25,-5.6) 30(2.75,-5.6) 31(3.25,-5.6) 32(3.75,-5.6) 49(3.75,5.6) 50(3.25,5.6) 51(2.75,5.6) 52(2.25,5.6) 53(1.75,5.6) 54(1.25,5.6) 55(0.75,5.6) 56(0.25,5.6) 57(-0.25,5.6) 58(-0.75,5.6) 59(-1.25,5.6) 60(-1.75,5.6) 61(-2.25,5.6) 62(-2.75,5.6) 63(-3.25,5.6) 64(-3.75,5.6)
  silkscreen extent -5.72,-4.15 4.15,4.57, body extent -5,-5 5,5, height 1.6
TAXM8M4RDBCCT2T [mm]
  rect 1.4x1.2 smd: 1(-1.1,-0.85) 2(1.1,-0.85) 3(1.1,0.85) 4(-1.1,0.85)
  silkscreen extent -1.15,-2 -1.05,-1.9, body extent -1.68,-1.33 1.68,1.33, height 0.9
TP_SMD_Ø1.5mm [mm]
  round 1.5 smd paste-5: 1(0,0)
TS1101CW [mm]
  rect 1.2x1 smd: 1(-3.7,0) 2(3.7,0)
  silkscreen extent -4.8,-1.8 3,1.8, body extent -4,-1.8 4,1.8, height 2.5
USB-3.1-SMD_U262-161N-4BVC11 [mm]
  rect 0.6x1.3 smd: A1B12(-3.2,2.461) A4B9(-2.4,2.461) B1A12(3.2,2.461) B4A9(2.4,2.461)
  rect 0.3x1.3 smd: A5(-1.25,2.461) A6(-0.25,2.461) A7(0.25,2.461) A8(1.25,2.461) B5(1.75,2.461) B6(0.75,2.461) B7(-0.75,2.461) B8(-1.75,2.461)
  oval 1.2x1.8 hole 0.7 slot 1.3 at 90 deg: SHELL(-4.32,-2.461) SHELL(4.32,-2.461)
  oval 1.2x2.2 hole 0.7 slot 1.8 at 90 deg: SHELL(-4.32,1.719) SHELL(4.32,1.719)
  round 0.7 hole 0.7 unplated: ""(-2.89,1.219) ""(2.89,1.219)
  silkscreen extent -4.62,-5.35 4.42,3.01
VISH-TLMX1100-2_V [mm] "SMD, 2-Leads, Body 1.6x0.8mm"
  rect 0.6x0.8 smd: 1(-0.725,0) 2(0.725,0)
  silkscreen extent 1.53,-0.3 1.53,0.3, body extent -0.8,-0.4 0.8,0.4, height 0.65
VISH-TLMX1100_V [mm] "SMD, 2-Leads, Body 1.6x0.8mm"
  rect 0.6x0.8 smd: 1(-0.725,0) 2(0.725,0)
  silkscreen extent 1.53,-0.4 1.53,0.4, body extent -0.8,-0.4 0.8,0.4, height 0.65
WL-SMCW_0603_150060xx75000 [mm] "SMD Mono-color Chip LED, body 1.6x0.8mm"
  rect 0.8x0.8 smd: 1(-0.8,0) 2(0.8,0)
  silkscreen extent -1.55,-0.4 -1.4,0.4, body extent -0.8,-0.4 0.8,0.4, height 0.7